# Altium PCB Evaluation Board.PcbDoc (part 5 of 22) (continued)
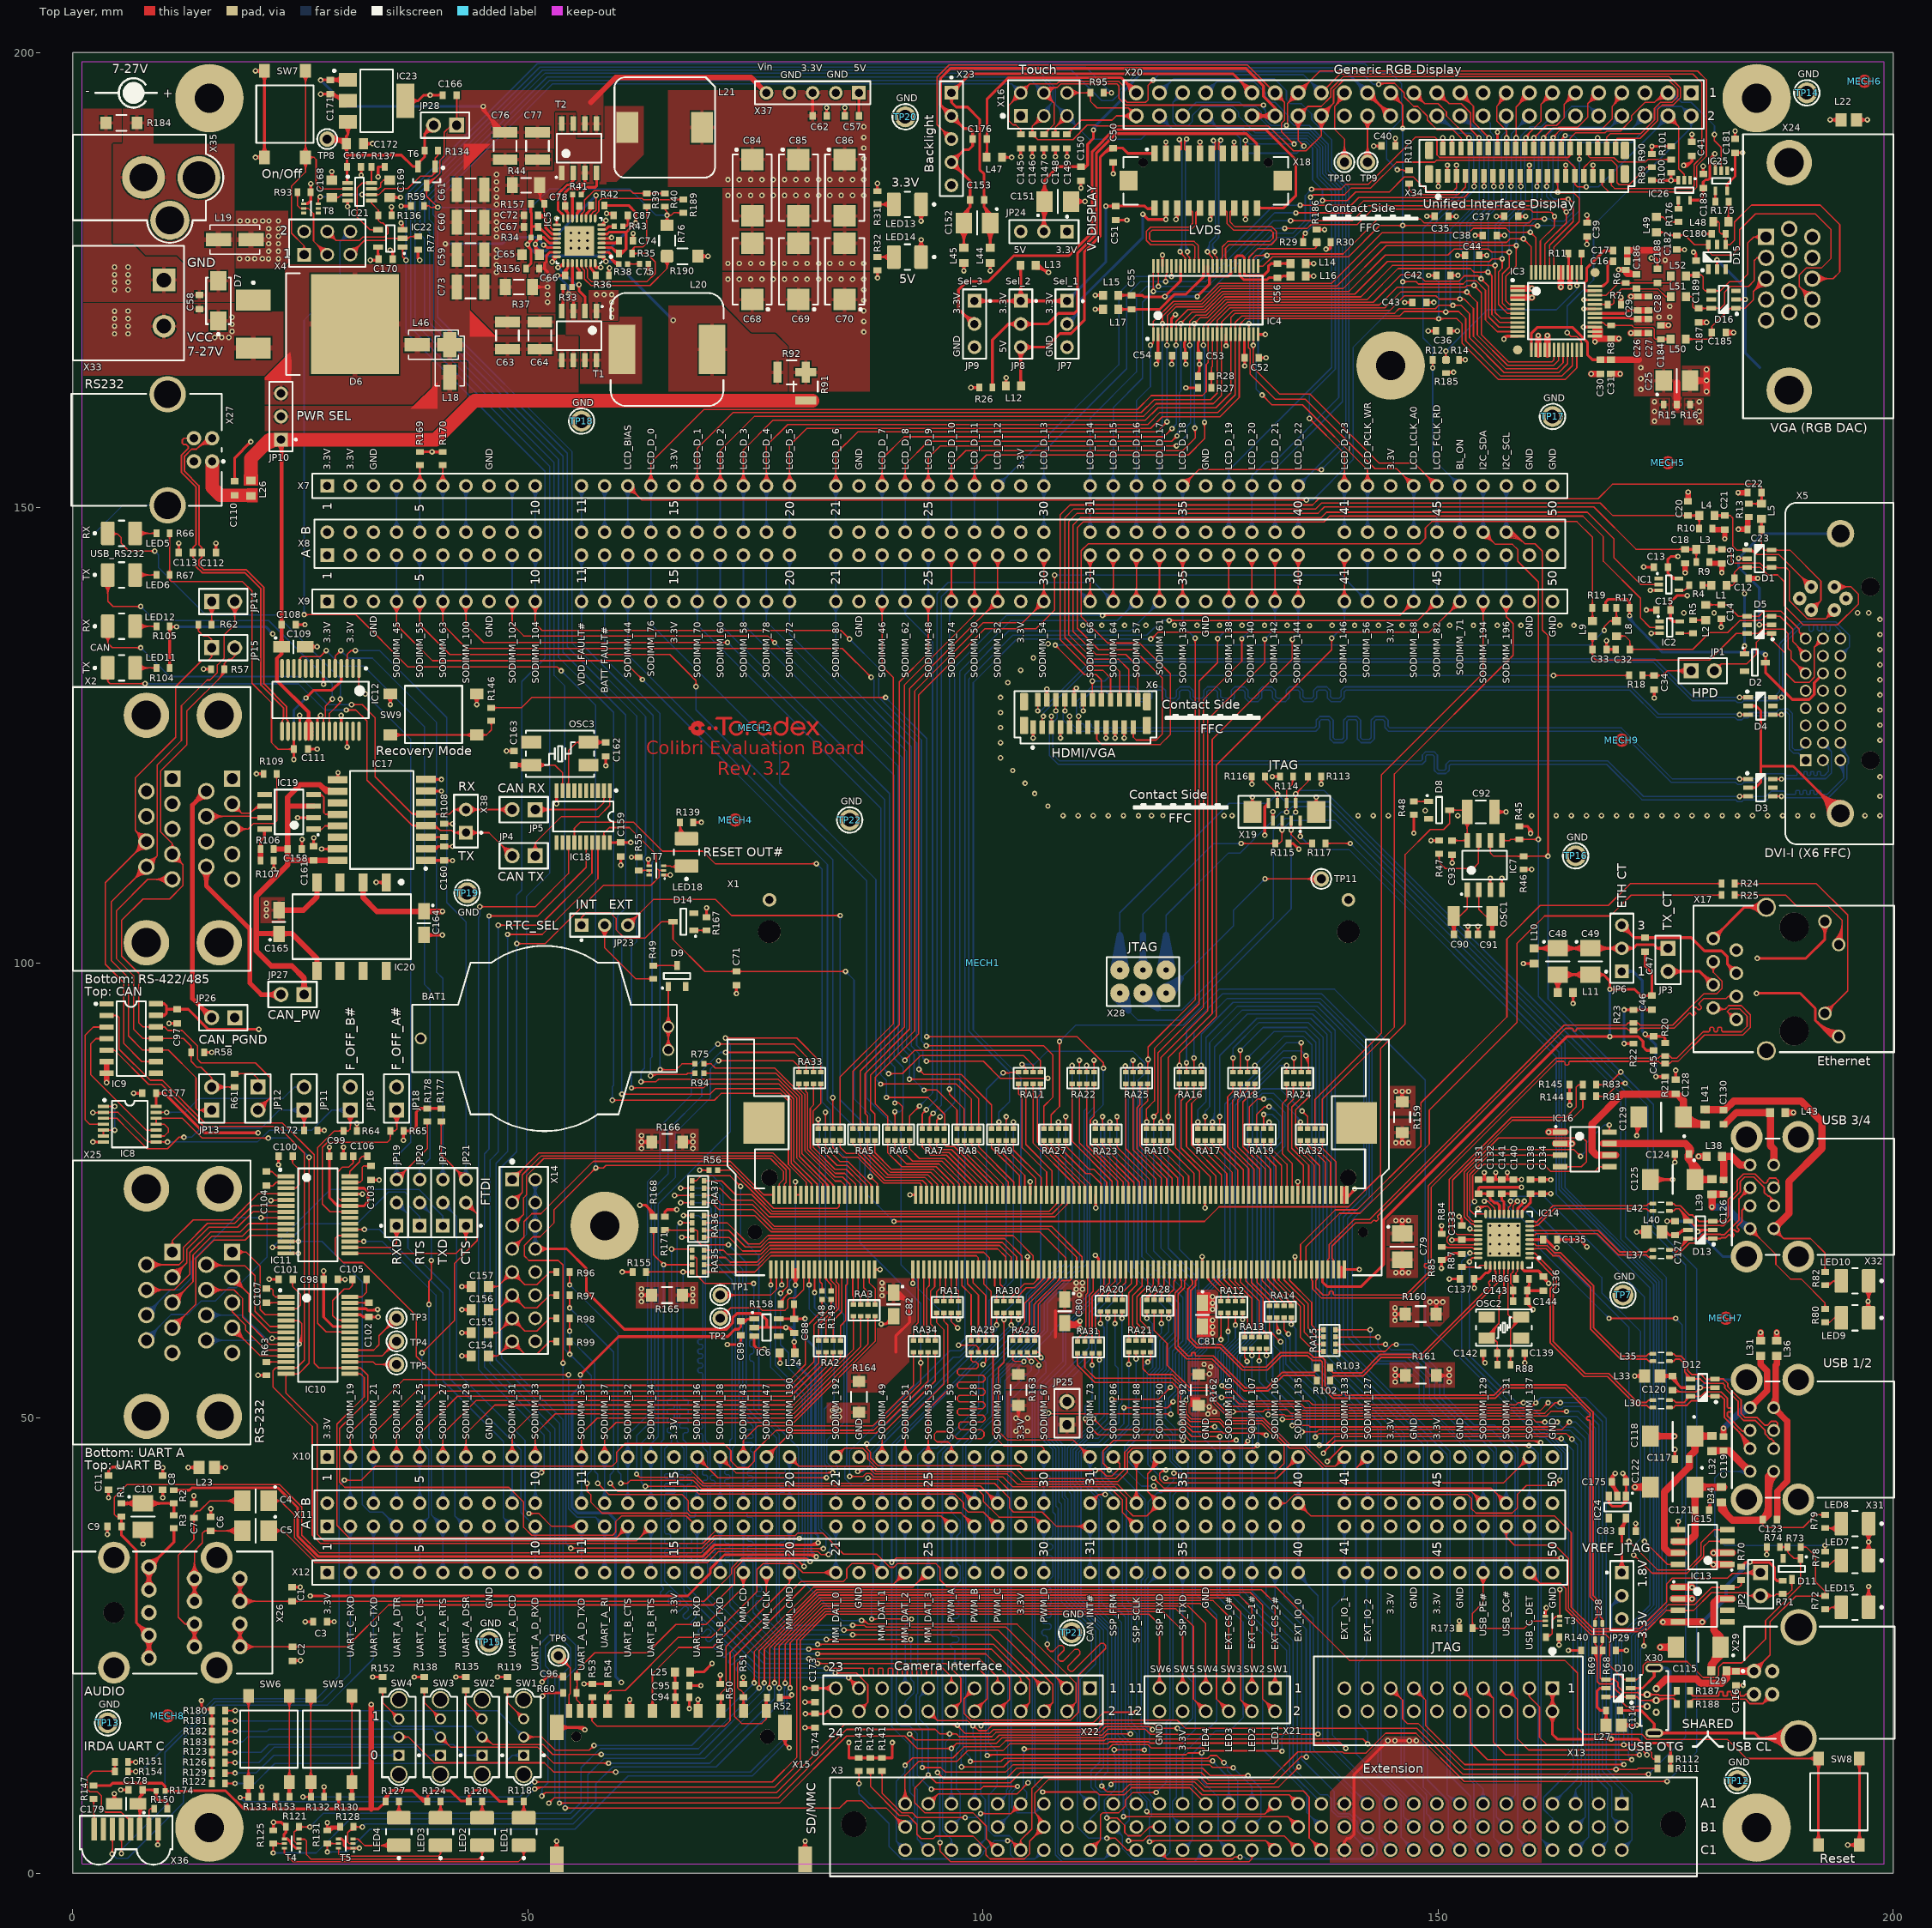
[diagram p0: Top Layer view]
## Nets (pads, with @x,y where several pads share a name; then routed paths per layer and width w, separated by ;. In a path a pad name is that pad's centre, name@x,y a point inside that pad or via, vN(x,y) a via of type N, cw(c..) or ccw(c..) an arc to the next point about the centre after c; other vN are vias at no path point) (continued)
CIF_D_2: RA37.5 X22.7 | length 96.1
  Top Layer w0.15: v1(66.775,73.65) 66.785,73.66 RA37.5@68.042,73.66 ; v1@66.934,73.491 cw(c67.342,73.083) 67.342,73.66 ; v1@66.934,73.809 ccw(c67.294,74.169) 67.294,73.66 ; RA37.5@67.918,73.536 ccw(c67.619,73.238) 67.619,73.66 ccw(c67.619,74.082) RA37.5@67.918,73.784 ; v1(80.848,24.613) 100.939,24.613 104.14,21.412 ; v1@81.007,24.454 cw(c81.391,24.07) 81.391,24.613 cw(c81.391,25.156) v1@81.007,24.772 ; X22.7@103.838,20.924 ccw(c103.594,21.412) 104.14,21.412 ; X22.7@103.905,20.79 ccw(c103.715,21.169) 104.14,21.169 ccw(c104.565,21.169) X22.7@104.375,20.79 ; X22.7@104.14,20.32 104.14,21.412 ; X22.7@104.442,20.924 cw(c104.686,21.412) 104.14,21.412
  Bottom Layer w0.15: v1(66.775,73.65) 69.53,73.65 70.128,73.052 70.128,67.474 72.425,65.177 72.425,47.782 72.181,47.538 72.181,44.435 72.051,44.305 71.761,44.305 71.631,44.175 71.631,43.915 71.761,43.785 72.051,43.785 72.181,43.655 72.181,43.395 72.051,43.265 71.761,43.265 71.631,43.135 71.631,42.875 71.761,42.745 72.051,42.745 72.181,42.615 72.181,36.891 72.051,36.761 71.761,36.761 71.631,36.631 71.631,36.371 71.761,36.241 72.051,36.241 72.181,36.111 72.181,35.851 72.051,35.721 71.761,35.721 71.631,35.591 71.631,35.331 71.761,35.201 72.051,35.201 72.181,35.071 72.181,34.811 72.051,34.681 71.761,34.681 71.631,34.551 71.631,34.291 71.761,34.161 72.051,34.161 72.181,34.031 72.181,29.394 76.962,24.613 v1(80.848,24.613) ; v1@66.934,73.491 cw(c67.318,73.107) 67.318,73.65 cw(c67.318,74.193) v1@66.934,73.809 ; v1@80.689,24.454 ccw(c80.305,24.07) 80.305,24.613 ccw(c80.305,25.156) v1@80.689,24.772
CIF_D_3: RA37.6 X22.8 | length 100.3
  Top Layer w0.15: v1(66.1,74.45) 68.032,74.45 RA37.6@68.042,74.46 ; v1@66.259,74.291 cw(c66.643,73.907) 66.643,74.45 cw(c66.643,74.993) v1@66.259,74.609 ; 67.595,74.45 ccw(c67.595,74.907) RA37.6@67.918,74.584 ; 67.644,74.45 cw(c67.644,74.062) RA37.6@67.918,74.336 ; v1(81.813,25.138) 82.996,25.138 91.832,25.138 92.267,25.138 101.176,25.138 105.131,21.184 105.131,18.771 ; v1@81.972,24.979 cw(c82.357,24.595) 82.357,25.138 cw(c82.357,25.681) v1@81.972,25.297 ; X22.8@104.14,17.78 105.131,18.771 ; X22.8@104.182,18.153 ccw(c104.252,18.769) 104.69,18.33 ccw(c105.129,17.892) X22.8@104.513,17.822 ; X22.8@104.199,18.302 ccw(c104.297,19.164) 104.91,18.55 ccw(c105.524,17.937) X22.8@104.662,17.839 ; X22.8@104.216,18.451 ccw(c104.341,19.56) 105.131,18.771 ; X22.8@104.811,17.856 cw(c105.92,17.981) 105.131,18.771
  Bottom Layer w0.15: v1(66.1,74.45) 69.602,74.45 70.601,73.451 70.601,67.738 72.808,65.531 72.808,47.063 72.481,46.735 72.481,29.944 77.287,25.138 v1(81.813,25.138) ; v1@66.259,74.291 cw(c66.643,73.907) 66.643,74.45 cw(c66.643,74.993) v1@66.259,74.609 ; v1@81.654,24.979 ccw(c81.27,24.595) 81.27,25.138 ccw(c81.27,25.681) v1@81.654,25.297
CIF_D_4: RA36.5 X22.9 | length 96.7
  Top Layer w0.15: v1(66.9,69.85) RA36.5@68.042,69.85 ; v1@67.059,69.691 cw(c67.443,69.307) 67.443,69.85 cw(c67.443,70.393) v1@67.059,70.009 ; RA36.5@67.918,69.726 ccw(c67.619,69.428) 67.619,69.85 ccw(c67.619,70.272) RA36.5@67.918,69.974 ; v1(80.848,23.563) 81.596,23.563 82.031,23.563 99.551,23.563 101.6,21.514 ; v1@81.007,23.404 cw(c81.391,23.02) 81.391,23.563 cw(c81.391,24.106) v1@81.007,23.722 ; X22.9@101.252,20.898 ccw(c100.882,21.514) 101.6,21.514 ; X22.9@101.329,20.77 ccw(c101.042,21.248) 101.6,21.248 ccw(c102.158,21.248) X22.9@101.871,20.77 ; X22.9@101.6,20.32 101.6,21.514 ; X22.9@101.948,20.898 cw(c102.318,21.514) 101.6,21.514
  Bottom Layer w0.15: v1(66.9,69.85) 68.025,69.85 69.191,68.684 69.191,58.76 69.061,58.63 68.798,58.63 68.668,58.5 68.668,58.24 68.798,58.11 69.061,58.11 69.191,57.98 69.191,57.72 69.061,57.59 68.798,57.59 68.668,57.46 68.668,57.2 68.798,57.07 69.061,57.07 69.191,56.94 69.191,56.68 69.061,56.55 68.798,56.55 68.668,56.42 68.668,56.16 68.798,56.03 69.061,56.03 69.191,55.9 69.191,55.64 69.061,55.51 68.798,55.51 68.668,55.38 68.668,55.12 68.798,54.99 69.061,54.99 69.191,54.86 69.191,52.91 69.191,52.061 69.061,51.931 68.705,51.931 68.575,51.801 68.575,51.541 68.705,51.411 69.061,51.411 69.191,51.281 69.191,51.021 69.061,50.891 68.705,50.891 68.575,50.761 68.575,50.501 68.705,50.371 69.061,50.371 69.191,50.241 69.191,49.981 69.061,49.851 68.705,49.851 68.575,49.721 68.575,49.461 68.705,49.331 69.061,49.331 69.191,49.201 69.191,48.941 69.061,48.811 68.705,48.811 68.575,48.681 68.575,48.421 68.705,48.291 69.061,48.291 69.191,48.161 69.191,48.031 69.191,46.8 69.728,46.264 69.728,44.423 69.585,44.281 69.31,44.281 69.168,44.138 69.168,43.853 69.31,43.711 69.585,43.711 69.728,43.568 69.728,43.283 69.585,43.141 69.31,43.141 69.168,42.998 69.168,42.713 69.31,42.571 69.585,42.571 69.728,42.428 69.728,36.866 69.598,36.736 69.308,36.736 69.178,36.606 69.178,36.346 69.308,36.216 69.598,36.216 69.728,36.086 69.728,35.826 69.598,35.696 69.308,35.696 69.178,35.566 69.178,35.306 69.308,35.176 69.598,35.176 69.728,35.046 69.728,34.786 69.598,34.656 69.308,34.656 69.178,34.526 69.178,34.266 69.308,34.136 69.598,34.136 69.728,34.006 69.728,30.072 76.237,23.563 v1(80.848,23.563) ; v1@67.059,69.691 cw(c67.443,69.307) 67.443,69.85 cw(c67.443,70.393) v1@67.059,70.009 ; v1@80.689,23.404 ccw(c80.305,23.02) 80.305,23.563 ccw(c80.305,24.106) v1@80.689,23.722
CIF_D_5: RA36.8 X22.10 | length 100
  Top Layer w0.15: v1(67.075,72.25) RA36.8@68.042,72.25 ; v1@67.234,72.091 cw(c67.618,71.707) 67.618,72.25 cw(c67.618,72.793) v1@67.234,72.409 ; RA36.8@67.918,72.126 ccw(c67.619,71.827) 67.619,72.25 ccw(c67.619,72.672) RA36.8@67.918,72.374 ; v1(81.813,24.088) 100.296,24.088 102.895,21.488 102.895,19.075 X22.10@101.6,17.78 ; v1@81.972,23.929 cw(c82.357,23.545) 82.357,24.088 cw(c82.357,24.631) v1@81.972,24.247 ; X22.10@101.6,18.155 ccw(c101.6,19.06) 102.24,18.42 ccw(c102.88,17.78) X22.10@101.975,17.78 ; X22.10@101.6,18.305 ccw(c101.6,19.572) 102.496,18.676 ccw(c103.392,17.78) X22.10@102.125,17.78 ; X22.10@101.6,18.455 ccw(c101.6,20.085) 102.752,18.932 ccw(c103.905,17.78) X22.10@102.275,17.78
  Bottom Layer w0.15: v1(67.075,72.25) 68.745,72.25 69.491,71.504 69.491,47.559 70.028,47.022 70.028,44.577 70.028,44.435 70.17,44.292 70.418,44.292 70.56,44.15 70.56,43.865 70.418,43.722 70.17,43.722 70.028,43.58 70.028,43.295 70.17,43.152 70.418,43.152 70.56,43.01 70.56,42.725 70.418,42.582 70.17,42.582 70.028,42.44 70.028,41.504 70.028,39.167 70.028,38.902 70.028,38.372 70.028,37.842 70.028,37.312 70.028,36.861 70.107,36.782 70.508,36.782 70.588,36.702 70.588,36.331 70.508,36.252 70.107,36.252 70.028,36.172 70.028,35.801 70.107,35.722 70.508,35.722 70.588,35.642 70.588,35.271 70.508,35.192 70.107,35.192 70.028,35.112 70.028,34.741 70.107,34.662 70.508,34.662 70.588,34.582 70.588,34.211 70.508,34.132 70.107,34.132 70.028,34.052 70.028,33.602 70.028,33.477 70.028,30.547 76.487,24.088 80.631,24.088 81.066,24.088 v1(81.813,24.088) ; v1@67.234,72.091 cw(c67.618,71.707) 67.618,72.25 cw(c67.618,72.793) v1@67.234,72.409 ; v1@81.654,23.929 ccw(c81.27,23.545) 81.27,24.088 ccw(c81.27,24.631) v1@81.654,24.247
CIF_D_8: RA36.7 X22.13 | length 97.5
  Top Layer w0.15: v1(66.725,71.45) RA36.7@68.042,71.45 ; v1@66.884,71.291 cw(c67.268,70.907) 67.268,71.45 cw(c67.268,71.993) v1@66.884,71.609 ; RA36.7@67.918,71.326 ccw(c67.619,71.028) 67.619,71.45 ccw(c67.619,71.872) RA36.7@67.918,71.574 ; v1(82.779,22.513) 86.106,22.513 86.371,22.513 86.821,22.513 86.901,22.433 86.901,21.732 86.98,21.653 87.351,21.653 87.431,21.732 87.431,22.433 87.51,22.513 87.881,22.513 87.961,22.433 87.961,21.732 88.04,21.653 88.411,21.653 88.491,21.732 88.491,22.433 88.57,22.513 88.941,22.513 89.021,22.433 89.021,21.732 89.1,21.653 89.471,21.653 89.551,21.732 89.551,22.433 89.63,22.513 90.001,22.513 90.081,22.433 90.081,21.732 90.16,21.653 90.531,21.653 90.611,21.732 90.611,22.433 90.69,22.513 91.061,22.513 91.141,22.433 91.141,21.732 91.22,21.653 91.591,21.653 91.671,21.732 91.671,22.433 91.75,22.513 92.121,22.513 92.201,22.433 92.201,21.732 92.28,21.653 92.651,21.653 92.731,21.732 92.731,22.433 92.81,22.513 93.181,22.513 93.261,22.433 93.261,21.732 93.34,21.653 93.711,21.653 93.791,21.732 93.791,22.433 93.87,22.513 94.241,22.513 94.321,22.433 94.321,21.732 94.4,21.653 94.771,21.653 94.851,21.732 94.851,22.433 94.93,22.513 95.021,22.513 95.572,22.513 96.52,21.565 ; v1@82.938,22.354 cw(c83.322,21.97) 83.322,22.513 cw(c83.322,23.056) v1@82.938,22.672 ; X22.13@96.152,20.886 ccw(c95.71,21.565) 96.52,21.565 ; X22.13@96.234,20.76 ccw(c95.89,21.288) 96.52,21.288 ccw(c97.15,21.288) X22.13@96.806,20.76 ; X22.13@96.52,20.32 96.52,21.565 ; X22.13@96.888,20.886 cw(c97.33,21.565) 96.52,21.565
  Bottom Layer w0.15: v1@66.501,71.435 cw(c66.07,71.405) 66.375,71.1 ; v1@66.71,71.226 ccw(c66.68,70.795) 66.375,71.1 ; v1(66.725,71.45) 66.375,71.1 ; 67.132,30.868 67.132,42.602 67.002,42.732 66.712,42.732 66.582,42.862 66.582,43.122 66.712,43.252 67.002,43.252 67.132,43.382 67.132,43.642 67.002,43.772 66.712,43.772 66.582,43.902 66.582,44.162 66.712,44.292 67.002,44.292 67.132,44.422 67.132,44.552 67.132,46.657 66.375,47.414 66.375,71.1 ; 67.137,30.863 75.487,22.513 75.805,22.513 v1(82.779,22.513) ; v1@82.62,22.354 ccw(c82.235,21.97) 82.235,22.513 ccw(c82.235,23.056) v1@82.62,22.672
CIF_D_9: R155.1 RA35.5 X22.14 | length 100.4
  Top Layer w0.15: R155.1@62.9,66.05 68.032,66.05 RA35.5@68.042,66.04 ; R155.1@63.132,65.873 cw(c63.559,65.446) 63.559,66.05 cw(c63.559,66.654) R155.1@63.132,66.227 ; v1@66.891,65.891 ccw(c66.507,65.507) 66.507,66.05 ccw(c66.507,66.593) v1@66.891,66.209 ; v1@67.209,65.891 cw(c67.593,65.507) 67.593,66.05 cw(c67.593,66.593) v1@67.209,66.209 ; 67.595,66.05 cw(c67.595,65.593) RA35.5@67.918,65.916 ; 67.644,66.05 ccw(c67.644,66.438) RA35.5@67.918,66.164 ; v1(81.813,23.038) 95.961,23.038 97.561,21.438 97.561,18.821 ; v1@81.972,22.879 cw(c82.357,22.495) 82.357,23.038 cw(c82.357,23.581) v1@81.972,23.197 ; X22.14@96.52,17.78 97.561,18.821 ; X22.14@96.548,18.154 ccw(c96.6,18.857) 97.099,18.359 ccw(c97.597,17.86) X22.14@96.894,17.808 ; X22.14@96.559,18.304 ccw(c96.632,19.288) 97.33,18.59 ccw(c98.028,17.892) X22.14@97.044,17.819 ; X22.14@96.57,18.453 ccw(c96.664,19.719) 97.561,18.821 ; X22.14@97.193,17.83 cw(c98.459,17.924) 97.561,18.821
  Bottom Layer w0.15: v1@66.891,65.891 cw(c66.507,65.507) 67.05,65.507 cw(c67.593,65.507) v1@67.209,65.891 ; v1(67.05,66.05) 67.05,52.273 67.05,52.143 67.18,52.013 67.49,52.013 67.62,51.883 67.62,51.623 67.49,51.493 67.05,51.493 66.805,51.493 66.675,51.363 66.675,51.103 66.805,50.973 67.05,50.973 67.49,50.973 67.62,50.843 67.62,50.583 67.49,50.453 67.05,50.453 66.805,50.453 66.675,50.323 66.675,50.063 66.805,49.933 67.05,49.933 67.49,49.933 67.62,49.803 67.62,49.543 67.49,49.413 67.05,49.413 66.805,49.413 66.675,49.283 66.675,49.023 66.805,48.893 67.05,48.893 67.49,48.893 67.62,48.763 67.62,48.503 67.49,48.373 67.18,48.373 67.05,48.243 67.05,47.853 67.05,47.639 67.437,47.252 67.437,44.552 67.437,44.422 67.567,44.292 67.857,44.292 67.987,44.162 67.987,43.902 67.857,43.772 67.567,43.772 67.437,43.642 67.437,43.382 67.567,43.252 67.857,43.252 67.987,43.122 67.987,42.862 67.857,42.732 67.567,42.732 67.437,42.602 67.437,42.212 67.437,42.164 67.437,40.792 67.437,40.552 67.437,40.072 67.437,39.712 67.557,39.592 68.267,39.592 68.387,39.472 68.387,39.232 68.267,39.112 67.557,39.112 67.437,38.992 67.437,38.837 67.437,37.008 67.437,36.878 67.567,36.748 67.857,36.748 67.987,36.618 67.987,36.358 67.857,36.228 67.567,36.228 67.437,36.098 67.437,35.838 67.567,35.708 67.857,35.708 67.987,35.578 67.987,35.318 67.857,35.188 67.567,35.188 67.437,35.058 67.437,34.798 67.567,34.668 67.857,34.668 67.987,34.538 67.987,34.278 67.857,34.148 67.567,34.148 67.437,34.018 67.437,33.628 67.437,33.35 67.437,31.513 75.912,23.038 v1(81.813,23.038) ; v1@81.654,22.879 ccw(c81.27,22.495) 81.27,23.038 ccw(c81.27,23.581) v1@81.654,23.197
CIF_D_10: R168.1 RA35.6 X22.21 | length 103.4
  Top Layer w0.15: R168.1@63.623,70.472 cw(c63.196,70.045) 63.8,70.045 cw(c64.404,70.045) R168.1@63.977,70.472 ; R168.1@63.8,70.612 63.8,67.94 v1(64.9,66.84) RA35.6@68.042,66.84 ; v1@64.675,66.84 ccw(c64.132,66.84) 64.516,67.224 ccw(c64.9,67.608) v1@64.9,67.065 ; v1@65.059,66.681 cw(c65.443,66.297) 65.443,66.84 cw(c65.443,67.383) v1@65.059,66.999 ; RA35.6@67.918,66.716 ccw(c67.619,66.418) 67.619,66.84 ccw(c67.619,67.262) RA35.6@67.918,66.964 ; v1@85.171,21.243 cw(c85.006,20.463) 85.673,20.898 ; v1@85.202,21.39 cw(c85.112,20.965) 85.476,21.202 ; v1@85.217,21.238 cw(c85.217,20.695) 85.601,21.079 cw(c85.985,21.463) v1@85.442,21.463 ; v1@85.29,21.25 cw(c85.345,21.088) 85.489,21.181 ; v1@85.29,21.478 ccw(c85.715,21.568) 85.478,21.204 ; v1@85.43,21.39 ccw(c85.592,21.335) 85.499,21.191 ; v1@85.437,21.509 ccw(c86.217,21.674) 85.782,21.007 ; X22.21@85.685,20.324 ccw(c84.087,20.333) v1(85.217,21.463) ; X22.21@85.835,20.323 ccw(c84.592,20.33) 85.471,21.209 ccw(c86.35,22.088) X22.21@86.357,20.845 ; X22.21@85.985,20.322 ccw(c85.097,20.327) 85.725,20.955 ccw(c86.353,21.583) X22.21@86.358,20.695 ; X22.21@86.356,20.995 cw(c86.347,22.593) v1(85.217,21.463) ; X22.21@86.36,20.32 v1(85.217,21.463) ; v1@85.264,21.243 cw(c85.323,20.959) 85.482,21.202 ccw(c85.323,20.959) v1@85.264,21.243 ; v1@85.437,21.416 ccw(c85.721,21.357) 85.478,21.198 cw(c85.721,21.357) v1@85.437,21.416
  Bottom Layer w0.15: v1@64.741,66.681 cw(c64.357,66.297) 64.9,66.297 cw(c65.443,66.297) v1@65.059,66.681 ; v1(64.9,66.84) 64.9,47.657 64.643,47.4 64.643,31.582 64.854,31.371 64.854,31.163 64.546,30.855 64.546,30.647 64.755,30.438 64.963,30.438 65.375,30.85 65.511,30.986 65.72,30.986 65.928,30.777 65.928,30.569 65.792,30.433 65.38,30.021 65.38,29.812 65.589,29.604 65.798,29.604 66.21,30.015 66.345,30.151 66.554,30.151 66.763,29.943 66.763,29.734 66.215,29.186 66.215,28.978 66.423,28.769 66.632,28.769 67.18,29.317 67.388,29.317 67.597,29.108 67.597,28.9 67.049,28.352 67.049,28.143 67.258,27.935 67.466,27.935 68.014,28.483 68.223,28.483 68.431,28.274 68.431,28.065 68.296,27.929 67.884,27.518 67.884,27.309 68.092,27.1 68.301,27.1 68.713,27.512 68.849,27.648 69.057,27.648 69.266,27.44 69.266,27.231 69.13,27.095 68.718,26.683 68.718,26.475 68.927,26.266 69.135,26.266 69.547,26.678 69.683,26.814 69.892,26.814 70.1,26.605 70.1,26.397 69.552,25.849 69.552,25.64 69.761,25.432 69.97,25.432 70.517,25.979 70.726,25.979 70.935,25.771 70.935,25.562 70.387,25.014 70.387,24.806 70.595,24.597 70.804,24.597 71.352,25.145 71.56,25.145 71.769,24.936 71.769,24.728 71.633,24.592 71.221,24.18 71.221,23.971 71.43,23.763 71.638,23.763 72.05,24.175 72.186,24.311 72.395,24.311 72.603,24.102 72.603,23.893 72.467,23.758 72.056,23.346 72.056,23.137 72.264,22.928 72.473,22.928 72.885,23.34 73.021,23.476 73.229,23.476 73.438,23.268 73.438,23.059 72.89,22.511 72.89,22.303 73.099,22.094 73.307,22.094 73.855,22.642 74.064,22.642 74.272,22.433 75.242,21.463 v1(85.217,21.463) ; v1@85.058,21.304 ccw(c84.674,20.92) 84.674,21.463 ccw(c84.674,22.006) v1@85.058,21.622
CIF_D_11: RA35.8 X22.22 | length 98.6
  Top Layer w0.15: v1(65.775,68.55) 67.932,68.55 RA35.8@68.042,68.44 ; v1@65.934,68.391 cw(c66.318,68.007) 66.318,68.55 cw(c66.318,69.093) v1@65.934,68.709 ; 67.475,68.55 cw(c67.475,67.923) RA35.8@67.918,68.366 ; 67.764,68.55 ccw(c67.764,68.768) RA35.8@67.918,68.614 ; v1(83.744,21.988) 86.071,21.988 87.335,20.724 87.335,18.755 ; v1@83.903,21.829 cw(c84.287,21.445) 84.287,21.988 cw(c84.287,22.531) v1@83.903,22.147 ; X22.22@86.36,17.78 87.335,18.755 ; X22.22@86.407,18.152 ccw(c86.481,18.742) 86.902,18.322 ccw(c87.322,17.901) X22.22@86.732,17.827 ; X22.22@86.426,18.301 ccw(c86.529,19.127) 87.118,18.538 ccw(c87.707,17.949) X22.22@86.881,17.846 ; X22.22@86.444,18.45 ccw(c86.578,19.512) 87.335,18.755 ; X22.22@87.03,17.864 cw(c88.092,17.998) 87.335,18.755
  Bottom Layer w0.15: 64.999,33.992 64.999,33.706 64.999,32.131 ; 64.999,40.208 64.999,40.843 64.999,41.181 64.999,41.586 65.134,41.721 66.044,41.721 66.179,41.856 66.179,42.126 66.044,42.261 65.134,42.261 64.999,42.396 64.999,42.666 65.134,42.801 66.044,42.801 66.179,42.936 66.179,43.206 66.044,43.341 65.134,43.341 64.999,43.476 64.999,43.746 65.134,43.881 66.044,43.881 66.179,44.016 66.179,44.286 66.044,44.421 65.134,44.421 64.999,44.556 64.999,44.961 64.999,45.501 64.999,45.771 64.999,46.599 65.775,47.375 65.775,48.133 65.775,48.263 65.645,48.393 65.426,48.393 65.296,48.523 65.296,48.783 65.426,48.913 65.775,48.913 65.945,48.913 66.075,49.043 66.075,49.303 65.945,49.433 65.775,49.433 65.426,49.433 65.296,49.563 65.296,49.823 65.426,49.953 65.775,49.953 65.945,49.953 66.075,50.083 66.075,50.343 65.945,50.473 65.775,50.473 65.426,50.473 65.296,50.603 65.296,50.863 65.426,50.993 65.775,50.993 65.945,50.993 66.075,51.123 66.075,51.383 65.945,51.513 65.775,51.513 65.426,51.513 65.296,51.643 65.296,51.903 65.426,52.033 65.645,52.033 65.775,52.163 65.775,53.442 v1(65.775,68.55) ; 64.999,40.284 64.999,40.003 65.204,39.798 65.548,39.798 65.753,39.593 65.753,39.183 65.548,38.978 65.204,38.978 64.999,38.773 64.999,37.567 64.999,37.422 65.144,37.277 65.518,37.277 65.663,37.132 65.663,36.842 65.518,36.697 65.144,36.697 64.999,36.552 64.999,36.262 65.144,36.117 66.534,36.117 66.679,35.972 66.679,35.682 66.534,35.537 65.144,35.537 64.999,35.392 64.999,35.102 65.144,34.957 66.534,34.957 66.679,34.812 66.679,34.522 66.534,34.377 65.144,34.377 64.999,34.232 64.999,33.797 64.999,33.217 64.999,33.02 64.999,32.131 ; v1@65.616,68.391 cw(c65.232,68.007) 65.775,68.007 cw(c66.318,68.007) v1@65.934,68.391 ; v1@83.585,21.829 ccw(c83.201,21.445) 83.201,21.988 ccw(c83.201,22.531) v1@83.585,22.147 ; v1(83.744,21.988) 76.022,21.988 75.142,21.988 64.999,32.131
CIF_HSYNC: R56.2 X22.5 | length 99.7
  Top Layer w0.15: v1(68.85,77.225) 69.869,77.225 R56.2@69.878,77.216 ; v1@69.009,77.066 cw(c69.393,76.682) 69.393,77.225 ; v1@69.009,77.384 ccw(c69.393,77.768) 69.393,77.225 ; 69.349,77.225 cw(c69.349,76.687) R56.2@69.73,77.068 ; R56.2@69.73,77.364 cw(c69.393,77.701) 69.393,77.225 ; v1(85.674,26.188) 100.812,26.188 X22.5@106.68,20.32 ; v1@85.833,26.029 cw(c86.217,25.645) 86.217,26.188 cw(c86.217,26.731) v1@85.833,26.347 ; X22.5@106.005,20.32 ccw(c104.375,20.32) 105.528,21.472 ccw(c106.68,22.625) X22.5@106.68,20.995 ; X22.5@106.155,20.32 ccw(c104.888,20.32) 105.784,21.216 ccw(c106.68,22.112) X22.5@106.68,20.845 ; X22.5@106.305,20.32 ccw(c105.4,20.32) 106.04,20.96 ccw(c106.68,21.6) X22.5@106.68,20.695
  Bottom Layer w0.15: v1(68.85,77.225) 69.65,77.225 71.414,75.461 71.414,68.497 73.574,66.337 73.574,50.926 75.027,49.473 75.027,31.595 75.157,31.465 75.557,31.465 75.687,31.335 75.687,31.075 75.557,30.945 75.157,30.945 75.027,30.815 75.027,30.555 75.157,30.425 75.557,30.425 75.687,30.295 75.687,30.035 75.557,29.905 75.157,29.905 75.027,29.775 75.027,29.123 77.962,26.188 v1(85.674,26.188) ; v1@69.009,77.066 cw(c69.393,76.682) 69.393,77.225 cw(c69.393,77.768) v1@69.009,77.384 ; v1@85.515,26.029 ccw(c85.131,25.645) 85.131,26.188 ccw(c85.131,26.731) v1@85.515,26.347
CIF_MCLK: RA35.7 X22.3 | length 100
  Top Layer w0.15: RA35.7@68.042,67.64 68.46,67.64 68.55,67.55 68.55,65.675 69.45,64.775 v1(74.8,64.775) ; RA35.7@68.167,67.517 cw(c68.46,67.228) 68.46,67.64 cw(c68.46,68.052) RA35.7@68.167,67.763 ; v1@74.641,64.616 ccw(c74.257,64.232) 74.257,64.775 ccw(c74.257,65.318) v1@74.641,64.934 ; v1(85.674,27.238) 86.962,27.238 87.175,27.025 102.515,27.025 X22.3@109.22,20.32 ; v1@85.833,27.079 cw(c86.217,26.695) 86.217,27.238 cw(c86.217,27.781) v1@85.833,27.397 ; X22.3@108.545,20.32 ccw(c106.915,20.32) 108.068,21.472 ccw(c109.22,22.625) X22.3@109.22,20.995 ; X22.3@108.695,20.32 ccw(c107.428,20.32) 108.324,21.216 ccw(c109.22,22.112) X22.3@109.22,20.845 ; X22.3@108.845,20.32 ccw(c107.94,20.32) 108.58,20.96 ccw(c109.22,21.6) X22.3@109.22,20.695
  Bottom Layer w0.15: v1@74.641,64.616 cw(c74.257,64.232) 74.8,64.232 cw(c75.343,64.232) v1@74.959,64.616 ; v1(74.8,64.775) 74.8,62.814 74.8,62.429 74.8,61.813 74.646,61.659 74.5,61.659 74.346,61.505 74.346,61.043 74.5,60.889 74.646,60.889 74.8,60.735 74.8,60.273 74.646,60.119 74.5,60.119 74.346,59.965 74.346,59.503 74.5,59.349 74.646,59.349 74.8,59.195 74.8,58.733 74.646,58.579 74.5,58.579 74.346,58.425 74.346,57.963 74.5,57.809 74.646,57.809 74.8,57.655 74.8,57.193 74.646,57.039 74.5,57.039 74.346,56.885 74.346,56.423 74.5,56.269 74.646,56.269 74.8,56.115 74.8,52.146 74.8,51 77.618,48.182 77.618,44.679 77.618,44.549 77.748,44.419 78.148,44.419 78.278,44.289 78.278,44.029 78.148,43.899 77.748,43.899 77.618,43.769 77.618,43.509 77.748,43.379 78.148,43.379 78.278,43.249 78.278,42.989 78.148,42.859 77.748,42.859 77.618,42.729 77.618,42.469 77.748,42.339 78.148,42.339 78.278,42.209 78.278,41.949 78.148,41.819 77.748,41.819 77.618,41.689 77.618,41.3 77.618,37.363 77.618,37.013 77.748,36.883 78.148,36.883 78.278,36.753 78.278,36.493 78.148,36.363 77.748,36.363 77.618,36.233 77.618,35.973 77.748,35.843 78.148,35.843 78.278,35.713 78.278,35.453 78.148,35.323 77.748,35.323 77.618,35.193 77.618,34.933 77.748,34.803 78.148,34.803 78.278,34.673 78.278,34.413 78.148,34.283 77.748,34.283 77.618,34.153 77.618,33.763 77.618,33.503 77.618,28.199 78.578,27.238 84.492,27.238 v1(85.674,27.238) ; v1@85.515,27.079 ccw(c85.131,26.695) 85.131,27.238 ccw(c85.131,27.781) v1@85.515,27.397
CIF_PCLK: RA37.8 X22.4 | length 100.7
  Top Layer w0.15: RA37.8@68.042,76.06 68.485,76.06 68.867,76.442 68.867,76.453 69.014,76.6 72.2,76.6 v1(73.35,75.45) ; RA37.8@68.166,75.936 cw(c68.464,75.638) 68.464,76.06 cw(c68.464,76.482) RA37.8@68.166,76.184 ; v1@73.125,75.45 ccw(c72.582,75.45) 72.966,75.834 ccw(c73.35,76.218) v1@73.35,75.675 ; v1@86.621,27.836 cw(c86.725,27.423) 87.026,27.724 ; v1(86.639,27.763) 86.987,27.763 ; v1@86.658,27.69 cw(c86.8,27.124) 87.213,27.537 ; v1@86.694,27.545 cw(c86.875,26.826) 87.4,27.35 ; v1@86.845,27.671 cw(c86.987,27.607) 86.987,27.763 ; v1@86.845,27.855 ccw(c86.987,27.919) 86.987,27.763 ; X22.4@109.22,17.78 110.195,18.755 ; X22.4@109.267,18.152 ccw(c109.341,18.742) 109.762,18.322 ccw(c110.182,17.901) X22.4@109.592,17.827 ; X22.4@109.286,18.301 ccw(c109.389,19.127) 109.978,18.538 ccw(c110.567,17.949) X22.4@109.741,17.846 ; X22.4@109.304,18.45 ccw(c109.438,19.512) 110.195,18.755 ; X22.4@109.89,17.864 cw(c110.952,17.998) 110.195,18.755 ; 86.987,27.763 87.4,27.35 ; 87.4,27.35 103.739,27.35 110.195,20.894 110.195,18.755
  Bottom Layer w0.15: v1@73.191,75.291 cw(c72.807,74.907) 73.35,74.907 cw(c73.893,74.907) v1@73.509,75.291 ; v1(73.35,75.45) 73.35,69.85 75.362,67.838 75.362,51.088 79.715,46.735 79.715,37.432 79.225,36.942 79.225,34.183 79.715,33.693 79.715,32.528 84.48,27.763 v1(86.639,27.763) ; v1@86.48,27.604 ccw(c86.096,27.22) 86.096,27.763 ccw(c86.096,28.306) v1@86.48,27.922
CIF_VSYNC: R171.1 RA36.6 X22.6 | length 98.7
  Top Layer w0.15: R171.1@65.024,70.65 RA36.6@68.042,70.65 68.525,70.65 68.65,70.525 68.65,69.425 68.725,69.35 68.725,69.325 69.025,69.025 v1(72.025,69.025) ; R171.1@65.301,70.473 cw(c65.728,70.046) 65.728,70.65 cw(c65.728,71.254) R171.1@65.301,70.827 ; RA36.6@67.918,70.526 ccw(c67.619,70.228) 67.619,70.65 ccw(c67.619,71.072) RA36.6@67.918,70.774 ; RA36.6@68.166,70.526 cw(c68.464,70.228) 68.464,70.65 cw(c68.464,71.072) RA36.6@68.166,70.774 ; v1@71.866,68.866 ccw(c71.482,68.482) 71.482,69.025 ccw(c71.482,69.568) v1@71.866,69.184 ; v1(84.709,26.713) 85.892,26.713 101.666,26.713 107.655,20.724 107.655,18.755 ; v1@84.868,26.554 cw(c85.252,26.17) 85.252,26.713 cw(c85.252,27.256) v1@84.868,26.872 ; X22.6@106.68,17.78 107.655,18.755 ; X22.6@106.727,18.152 ccw(c106.801,18.742) 107.222,18.322 ccw(c107.642,17.901) X22.6@107.052,17.827 ; X22.6@106.746,18.301 ccw(c106.849,19.127) 107.438,18.538 ccw(c108.027,17.949) X22.6@107.201,17.846 ; X22.6@106.764,18.45 ccw(c106.898,19.512) 107.655,18.755 ; X22.6@107.35,17.864 cw(c108.412,17.998) 107.655,18.755
  Bottom Layer w0.15: v1@72.025,68.8 cw(c72.025,68.257) 72.409,68.641 cw(c72.793,69.025) v1@72.25,69.025 ; v1(72.025,69.025) 73.957,67.093 73.957,51.168 77.318,47.807 77.318,27.711 78.316,26.713 v1(84.709,26.713) ; v1@84.55,26.554 ccw(c84.166,26.17) 84.166,26.713 ccw(c84.166,27.256) v1@84.55,26.872
CRT_BLUE: C19.1 D1.4 L3.2 X5.C3 | length 30.7
  Top Layer w0.15: L3.2@180.038,145.432 C19.1@181.166,145.432 181.718,145.432 ; L3.2@180.187,145.283 cw(c180.545,144.925) 180.545,145.432 cw(c180.545,145.939) L3.2@180.187,145.58 ; L3.2@180.293,145.177 cw(c180.907,144.563) 180.907,145.432 cw(c180.907,146.301) L3.2@180.293,145.686 ; C19.1@180.852,145.296 ccw(c180.425,145.053) 180.552,145.527 ccw(c180.642,145.862) C19.1@180.892,145.622 ; C19.1@180.852,145.568 cw(c180.425,145.811) 180.552,145.337 cw(c180.642,145.002) C19.1@180.892,145.242 ; C19.1@180.896,145.237 ccw(c180.427,144.768) 180.427,145.432 ccw(c180.427,146.096) C19.1@180.896,145.626 ; C19.1@181.479,145.294 cw(c181.718,145.155) 181.718,145.432 ; C19.1@181.479,145.57 ccw(c181.718,145.709) 181.718,145.432 ; D1.4@186.242,143.326 ccw(c185.944,143.028) 185.944,143.45 ccw(c185.944,143.872) D1.4@186.242,143.574 ; D1.4@187.04,143.326 cw(c187.223,143.143) 187.223,143.402 ; D1.4@187.04,143.574 ccw(c187.454,143.988) 187.454,143.402 ; X5.C3@192.87,138.673 cw(c191.808,138.54) 192.565,137.783 ; X5.C3@193.019,138.692 cw(c192.193,138.588) 192.782,137.999 cw(c193.371,137.41) X5.C3@193.474,138.237 ; X5.C3@193.168,138.711 cw(c192.578,138.636) 192.998,138.216 cw(c193.419,137.795) X5.C3@193.493,138.385 ; X5.C3@193.456,138.088 ccw(c193.322,137.025) 192.565,137.783 ; X5.C3@193.54,138.758 192.565,137.783 ; 181.718,145.432 182.225,144.925 182.225,144.1 182.4,143.925 185.35,143.925 185.825,143.45 D1.4@186.641,143.45 186.689,143.402 188.248,143.402 188.604,143.046 188.604,139.765 190.586,137.783 192.565,137.783
CRT_BLUE_T: C18.1 L3.1 R9.1 X6.22 | length 106.9
  Top Layer w0.15: X6.22@115.843,129.501 ccw(c115.459,129.885) 116.002,129.885 ccw(c116.545,129.885) X6.22@116.161,129.501 ; X6.22@116.002,128.891 116.002,132.223 114.85,133.375 112.075,133.375 109.425,136.025 109.425,148.5 110.325,149.4 136.825,149.4 137.51,150.085 167.09,150.085 171.73,145.445 C18.1@177.136,145.445 C18.1@177.123,145.432 ; C18.1@176.867,145.25 ccw(c176.397,144.781) 176.397,145.445 ccw(c176.397,146.109) C18.1@176.867,145.639 ; C18.1@176.912,145.432 C18.1@177.123,145.432 ; C18.1@177.394,145.24 cw(c177.704,144.893) 177.824,145.342 ; C18.1@177.405,145.25 cw(c177.844,144.812) 177.844,145.432 ; C18.1@177.405,145.639 ccw(c177.906,146.14) 177.906,145.432 ; C18.1@177.42,145.623 ccw(c177.69,145.853) 177.782,145.51 ; C18.1@177.449,145.307 cw(c177.774,145.12) 177.677,145.482 ; C18.1@177.449,145.582 ccw(c177.848,145.813) 177.729,145.368 ; L3.1@178.104,145.112 cw(c177.489,144.498) 178.358,144.498 cw(c179.227,144.498) L3.1@178.613,145.112 ; L3.1@178.104,145.177 ccw(c177.489,144.563) 177.489,145.432 ccw(c177.489,146.301) L3.1@178.104,145.686 ; R9.1@178.181,144.293 ccw(c177.755,144.719) 178.358,144.719 ccw(c178.962,144.719) R9.1@178.535,144.293 ; L3.1@178.21,145.218 cw(c177.851,144.86) 178.358,144.86 cw(c178.865,144.86) L3.1@178.507,145.218 ; L3.1@178.21,145.283 ccw(c177.851,144.925) 177.851,145.432 ccw(c177.851,145.939) L3.1@178.21,145.58 ; R9.1@178.358,144.016 L3.1@178.358,145.432 ; L3.1@178.398,145.432 L3.1@178.358,145.432 ; C18.1@177.123,145.432 L3.1@178.358,145.432